# KiCad board sr99-stm32f411-hotswap.kicad_pcb
title: SR99 STM32F411 Hotswap Keyboard; rev: 0.2; company: Tecsmith
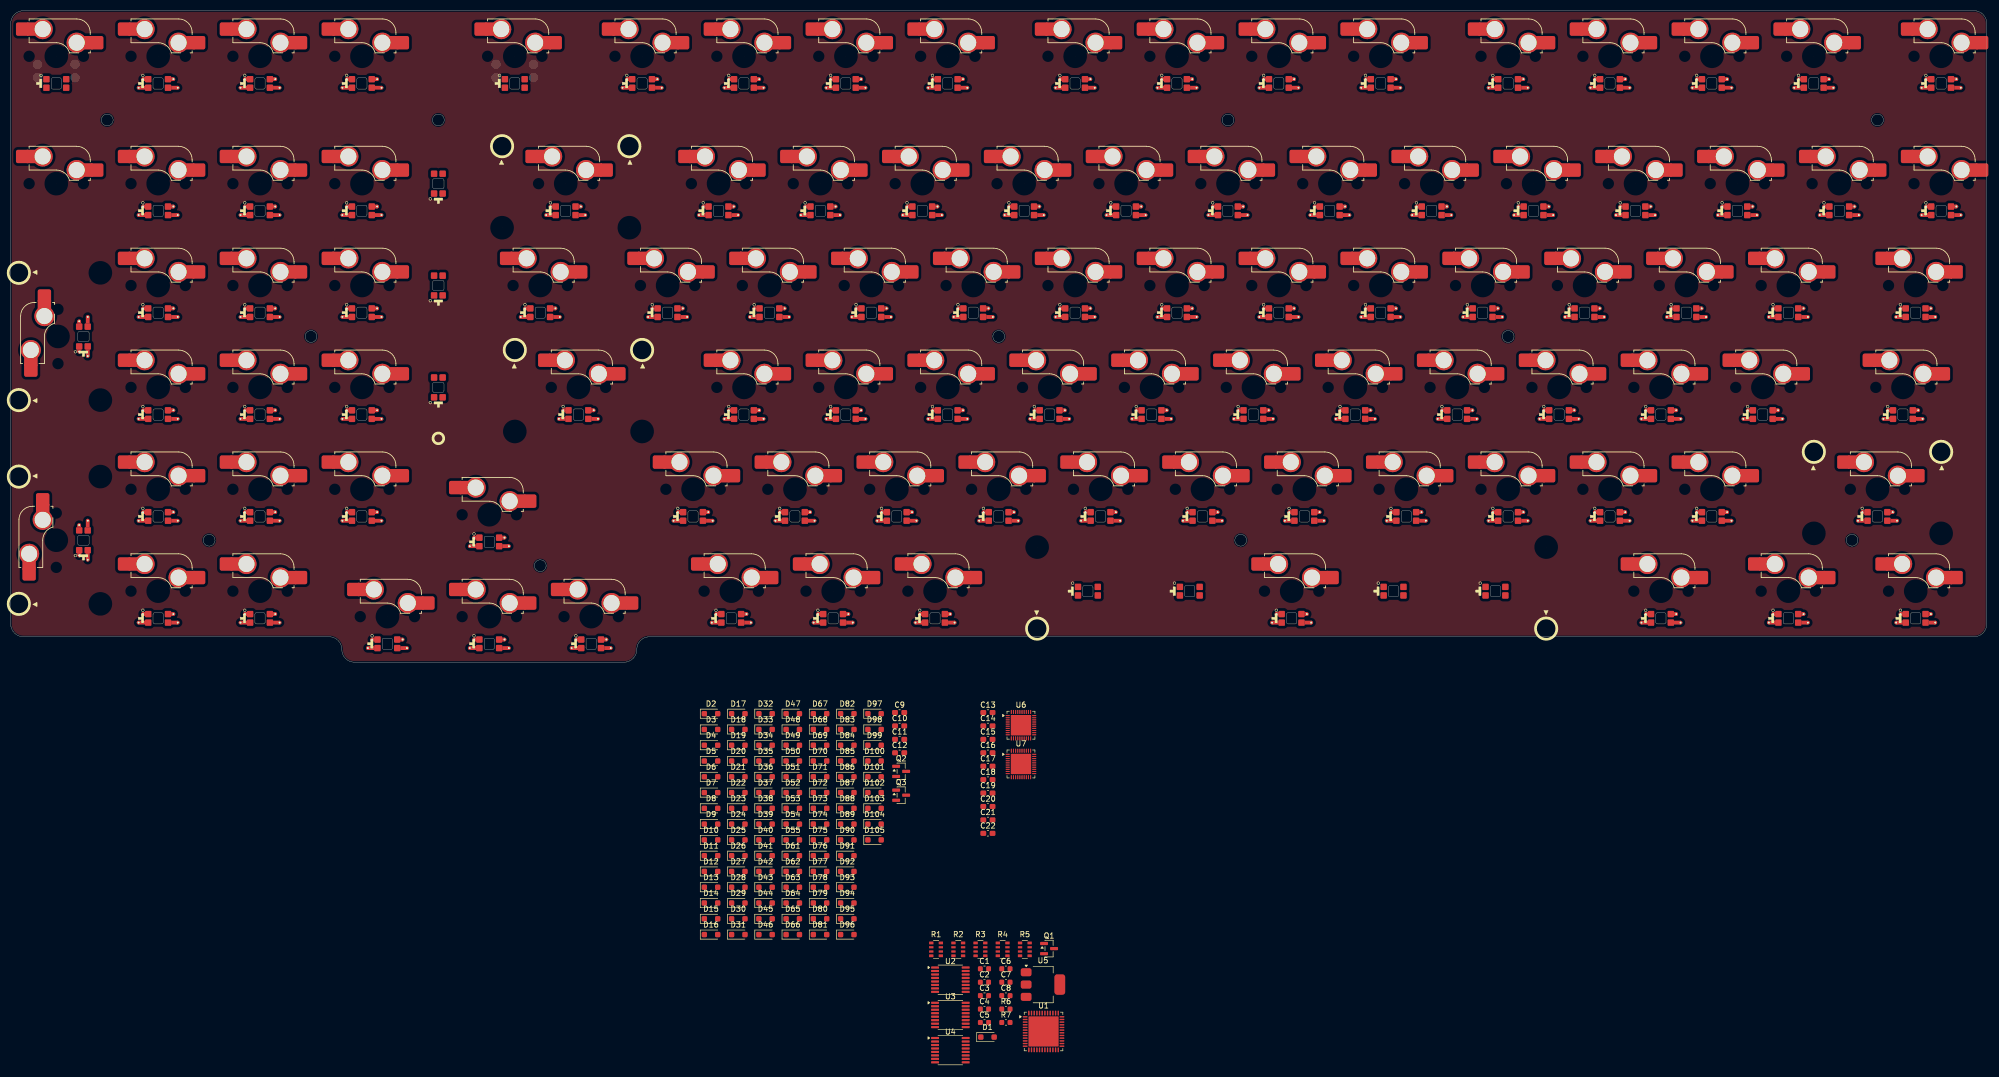
[diagram p0: board, top side]
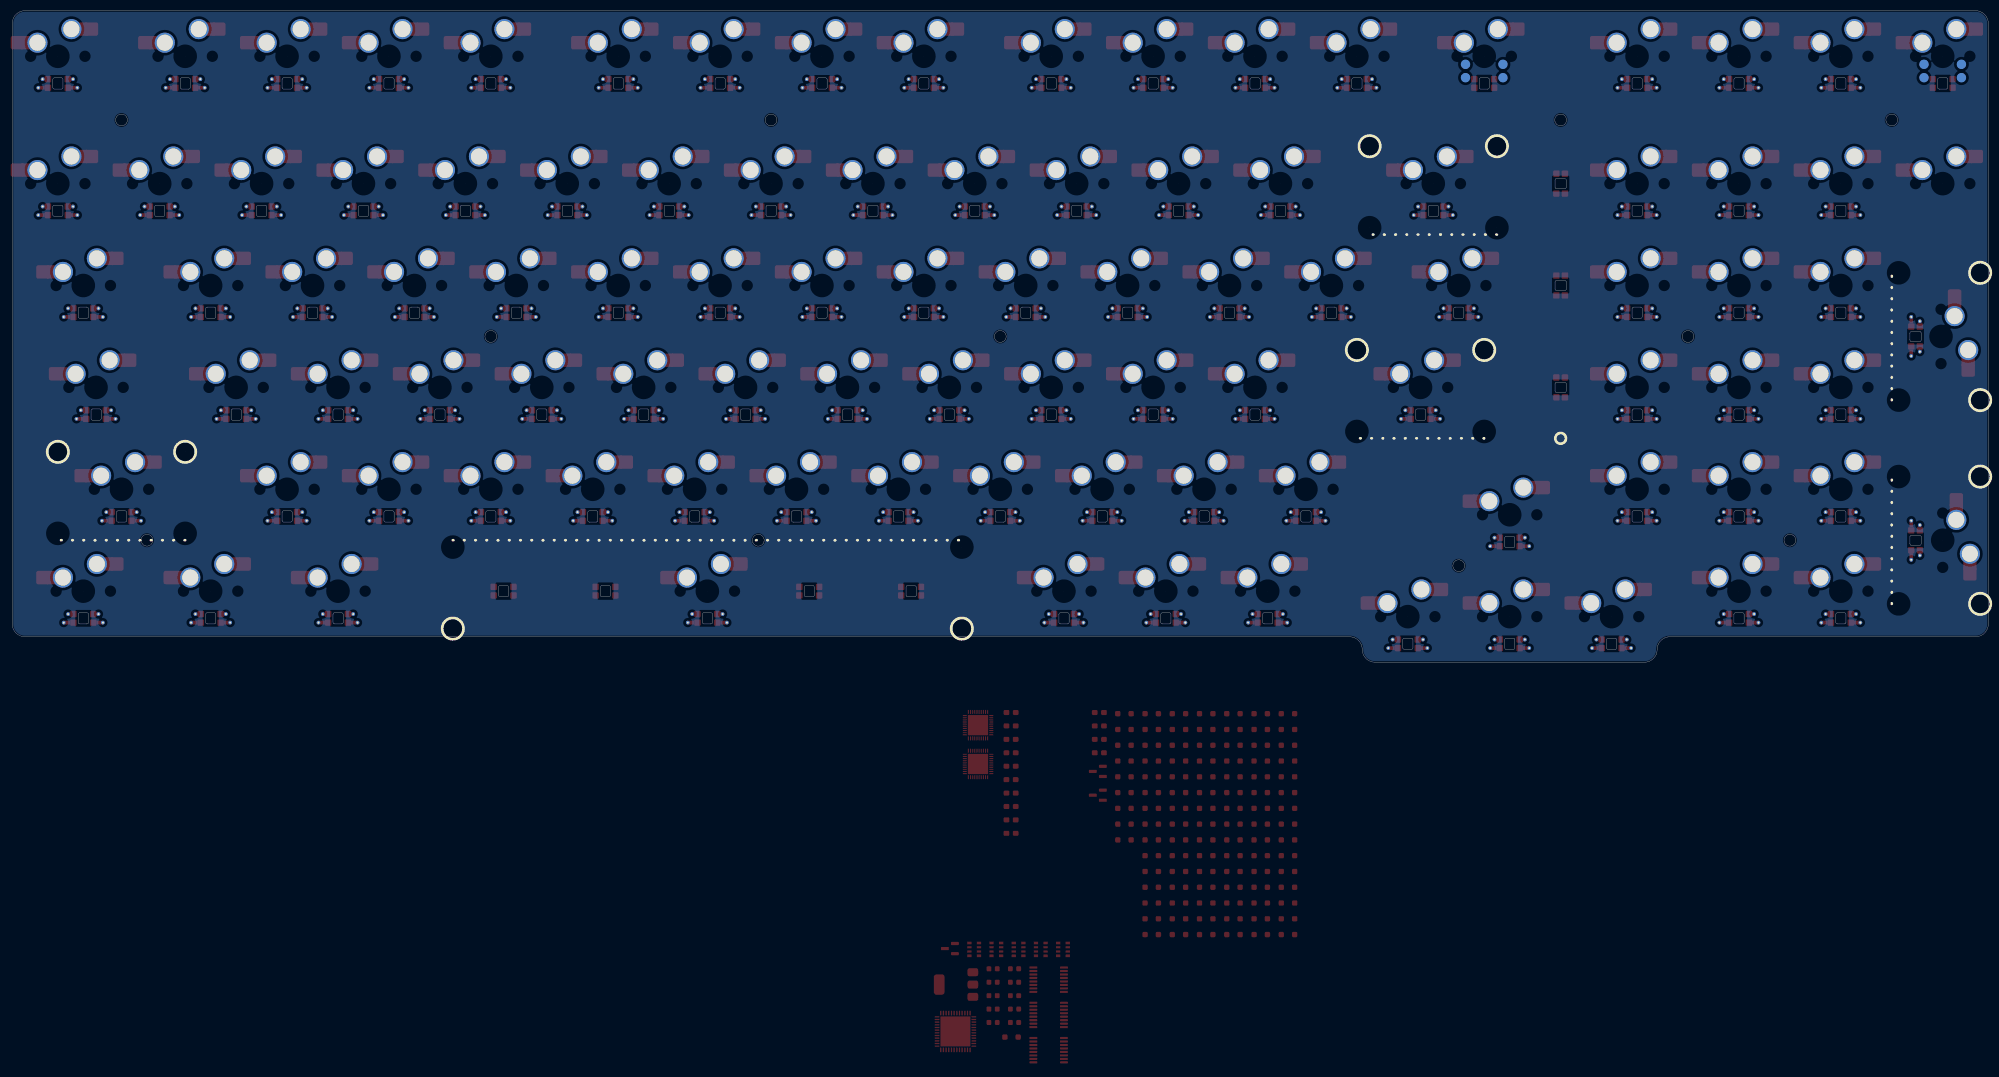
[diagram p1: board, bottom side, seen from below]

Outline 369.48 x 121.82 mm; copper layers: Top, In1.Cu, In2.Cu, Bottom. Coordinates in mm from the lower left corner of the outline.
Outline path: circle c18.05,101.39 r1.1 ; circle c37.1,22.81 r1.1 ; circle c56.15,60.91 r1.1 ; circle c79.96,101.39 r1.1 ; circle c99.01,18.05 r1.1 ; circle c184.74,60.91 r1.1 ; circle c227.6,101.39 r1.1 ; circle c229.98,22.81 r1.1 ; circle c279.99,60.91 r1.1 ; circle c344.28,22.81 r1.1 ; circle c349.04,101.39 r1.1 ; 0,119.44 0,7.14 arc(0.7,5.46) 2.38,4.76 59.53,4.76 arc(61.22,4.07) 61.91,2.38 arc(62.61,0.7) 64.29,0 114.68,0 arc(116.37,0.7) 117.06,2.38 arc(117.76,4.07) 119.44,4.76 367.09,4.76 arc(368.78,5.46) 369.48,7.14 369.48,119.44 arc(368.78,121.13) 367.09,121.82 2.38,121.82 arc(0.7,121.13) 0,119.44
Stack: Top 0.03mm / dielectric 0.165mm FR4 er 4.5 / In1.Cu 0.0175mm / dielectric 0.165mm FR4 er 4.5 / In2.Cu 0.0175mm / dielectric 0.165mm FR4 er 4.5 / Bottom 0.03mm

## Placement (name value [footprint] x y rotation side)
C1  100n  [C_0603_1608Metric]  182.07 -57.32 0 top
C2  100n  [C_0603_1608Metric]  182.07 -59.83 0 top
C3  100n  [C_0603_1608Metric]  182.07 -62.34 0 top
C4  22u  [C_0603_1608Metric]  182.07 -64.85 0 top
C5  100n  [C_0603_1608Metric]  182.07 -67.36 0 top
C6  100n  [C_0603_1608Metric]  186.08 -57.32 0 top
C7  22u  [C_0603_1608Metric]  186.08 -59.83 0 top
C8  4u7  [C_0603_1608Metric]  186.08 -62.34 0 top
C9  100n  [C_0603_1608Metric_Pad1.08x0.95mm_HandSolder]  166.21 -9.4 0 top
C10  100n  [C_0603_1608Metric_Pad1.08x0.95mm_HandSolder]  166.21 -11.91 0 top
C11  100n  [C_0603_1608Metric_Pad1.08x0.95mm_HandSolder]  166.21 -14.42 0 top
C12  100n  [C_0603_1608Metric_Pad1.08x0.95mm_HandSolder]  166.21 -16.93 0 top
C13  1u  [C_0603_1608Metric_Pad1.08x0.95mm_HandSolder]  182.72 -9.4 0 top
C14  100n  [C_0603_1608Metric_Pad1.08x0.95mm_HandSolder]  182.72 -11.91 0 top
C15  1u  [C_0603_1608Metric_Pad1.08x0.95mm_HandSolder]  182.72 -14.42 0 top
C16  100n  [C_0603_1608Metric_Pad1.08x0.95mm_HandSolder]  182.72 -16.93 0 top
C17  1u  [C_0603_1608Metric_Pad1.08x0.95mm_HandSolder]  182.72 -19.44 0 top
C18  100n  [C_0603_1608Metric_Pad1.08x0.95mm_HandSolder]  182.72 -21.95 0 top
C19  1u  [C_0603_1608Metric_Pad1.08x0.95mm_HandSolder]  182.72 -24.46 0 top
C20  100n  [C_0603_1608Metric_Pad1.08x0.95mm_HandSolder]  182.72 -26.97 0 top
C21  100n  [C_0603_1608Metric_Pad1.08x0.95mm_HandSolder]  182.72 -29.48 0 top
C22  100n  [C_0603_1608Metric_Pad1.08x0.95mm_HandSolder]  182.72 -31.99 0 top
D1  1N4148WS  [D_SOD-323_HandSoldering]  182.63 -70.09 0 top
D2  1N4148WS  [D_SOD-323_HandSoldering]  130.94 -9.62 0 top
D3  1N4148WS  [D_SOD-323_HandSoldering]  130.94 -12.57 0 top
D4  1N4148WS  [D_SOD-323_HandSoldering]  130.94 -15.52 0 top
D5  1N4148WS  [D_SOD-323_HandSoldering]  130.94 -18.47 0 top
D6  1N4148WS  [D_SOD-323_HandSoldering]  130.94 -21.42 0 top
D7  1N4148WS  [D_SOD-323_HandSoldering]  130.94 -24.37 0 top
D8  1N4148WS  [D_SOD-323_HandSoldering]  130.94 -27.32 0 top
D9  1N4148WS  [D_SOD-323_HandSoldering]  130.94 -30.27 0 top
D10  1N4148WS  [D_SOD-323_HandSoldering]  130.94 -33.22 0 top
D11  1N4148WS  [D_SOD-323_HandSoldering]  130.94 -36.17 0 top
D12  1N4148WS  [D_SOD-323_HandSoldering]  130.94 -39.12 0 top
D13  1N4148WS  [D_SOD-323_HandSoldering]  130.94 -42.07 0 top
D14  1N4148WS  [D_SOD-323_HandSoldering]  130.94 -45.02 0 top
D15  1N4148WS  [D_SOD-323_HandSoldering]  130.94 -47.97 0 top
D16  1N4148WS  [D_SOD-323_HandSoldering]  130.94 -50.92 0 top
D17  1N4148WS  [D_SOD-323_HandSoldering]  136.04 -9.62 0 top
D18  1N4148WS  [D_SOD-323_HandSoldering]  136.04 -12.57 0 top
D19  1N4148WS  [D_SOD-323_HandSoldering]  136.04 -15.52 0 top
D20  1N4148WS  [D_SOD-323_HandSoldering]  136.04 -18.47 0 top
D21  1N4148WS  [D_SOD-323_HandSoldering]  136.04 -21.42 0 top
D22  1N4148WS  [D_SOD-323_HandSoldering]  136.04 -24.37 0 top
D23  1N4148WS  [D_SOD-323_HandSoldering]  136.04 -27.32 0 top
D24  1N4148WS  [D_SOD-323_HandSoldering]  136.04 -30.27 0 top
D25  1N4148WS  [D_SOD-323_HandSoldering]  136.04 -33.22 0 top
D26  1N4148WS  [D_SOD-323_HandSoldering]  136.04 -36.17 0 top
D27  1N4148WS  [D_SOD-323_HandSoldering]  136.04 -39.12 0 top
D28  1N4148WS  [D_SOD-323_HandSoldering]  136.04 -42.07 0 top
D29  1N4148WS  [D_SOD-323_HandSoldering]  136.04 -45.02 0 top
D30  1N4148WS  [D_SOD-323_HandSoldering]  136.04 -47.97 0 top
D31  1N4148WS  [D_SOD-323_HandSoldering]  136.04 -50.92 0 top
D32  1N4148WS  [D_SOD-323_HandSoldering]  141.13 -9.62 0 top
D33  1N4148WS  [D_SOD-323_HandSoldering]  141.13 -12.57 0 top
D34  1N4148WS  [D_SOD-323_HandSoldering]  141.13 -15.52 0 top
D35  1N4148WS  [D_SOD-323_HandSoldering]  141.13 -18.47 0 top
D36  1N4148WS  [D_SOD-323_HandSoldering]  141.13 -21.42 0 top
D37  1N4148WS  [D_SOD-323_HandSoldering]  141.13 -24.37 0 top
D38  1N4148WS  [D_SOD-323_HandSoldering]  141.13 -27.32 0 top
D39  1N4148WS  [D_SOD-323_HandSoldering]  141.13 -30.27 0 top
D40  1N4148WS  [D_SOD-323_HandSoldering]  141.13 -33.22 0 top
D41  1N4148WS  [D_SOD-323_HandSoldering]  141.13 -36.17 0 top
D42  1N4148WS  [D_SOD-323_HandSoldering]  141.13 -39.12 0 top
D43  1N4148WS  [D_SOD-323_HandSoldering]  141.13 -42.07 0 top
D44  1N4148WS  [D_SOD-323_HandSoldering]  141.13 -45.02 0 top
D45  1N4148WS  [D_SOD-323_HandSoldering]  141.13 -47.97 0 top
D46  1N4148WS  [D_SOD-323_HandSoldering]  141.13 -50.92 0 top
D47  1N4148WS  [D_SOD-323_HandSoldering]  146.23 -9.62 0 top
D48  1N4148WS  [D_SOD-323_HandSoldering]  146.23 -12.57 0 top
D49  1N4148WS  [D_SOD-323_HandSoldering]  146.23 -15.52 0 top
D50  1N4148WS  [D_SOD-323_HandSoldering]  146.23 -18.47 0 top
D51  1N4148WS  [D_SOD-323_HandSoldering]  146.23 -21.42 0 top
D52  1N4148WS  [D_SOD-323_HandSoldering]  146.23 -24.37 0 top
D53  1N4148WS  [D_SOD-323_HandSoldering]  146.23 -27.32 0 top
D54  1N4148WS  [D_SOD-323_HandSoldering]  146.23 -30.27 0 top
D55  1N4148WS  [D_SOD-323_HandSoldering]  146.23 -33.22 0 top
D61  1N4148WS  [D_SOD-323_HandSoldering]  146.23 -36.17 0 top
D62  1N4148WS  [D_SOD-323_HandSoldering]  146.23 -39.12 0 top
D63  1N4148WS  [D_SOD-323_HandSoldering]  146.23 -42.07 0 top
D64  1N4148WS  [D_SOD-323_HandSoldering]  146.23 -45.02 0 top
D65  1N4148WS  [D_SOD-323_HandSoldering]  146.23 -47.97 0 top
D66  1N4148WS  [D_SOD-323_HandSoldering]  146.23 -50.92 0 top
D67  1N4148WS  [D_SOD-323_HandSoldering]  151.32 -9.62 0 top
D68  1N4148WS  [D_SOD-323_HandSoldering]  151.32 -12.57 0 top
D69  1N4148WS  [D_SOD-323_HandSoldering]  151.32 -15.52 0 top
D70  1N4148WS  [D_SOD-323_HandSoldering]  151.32 -18.47 0 top
D71  1N4148WS  [D_SOD-323_HandSoldering]  151.32 -21.42 0 top
D72  1N4148WS  [D_SOD-323_HandSoldering]  151.32 -24.37 0 top
D73  1N4148WS  [D_SOD-323_HandSoldering]  151.32 -27.32 0 top
D74  1N4148WS  [D_SOD-323_HandSoldering]  151.32 -30.27 0 top
D75  1N4148WS  [D_SOD-323_HandSoldering]  151.32 -33.22 0 top
D76  1N4148WS  [D_SOD-323_HandSoldering]  151.32 -36.17 0 top
D77  1N4148WS  [D_SOD-323_HandSoldering]  151.32 -39.12 0 top
D78  1N4148WS  [D_SOD-323_HandSoldering]  151.32 -42.07 0 top
D79  1N4148WS  [D_SOD-323_HandSoldering]  151.32 -45.02 0 top
D80  1N4148WS  [D_SOD-323_HandSoldering]  151.32 -47.97 0 top
D81  1N4148WS  [D_SOD-323_HandSoldering]  151.32 -50.92 0 top
D82  1N4148WS  [D_SOD-323_HandSoldering]  156.42 -9.62 0 top
D83  1N4148WS  [D_SOD-323_HandSoldering]  156.42 -12.57 0 top
D84  1N4148WS  [D_SOD-323_HandSoldering]  156.42 -15.52 0 top
D85  1N4148WS  [D_SOD-323_HandSoldering]  156.42 -18.47 0 top
D86  1N4148WS  [D_SOD-323_HandSoldering]  156.42 -21.42 0 top
D87  1N4148WS  [D_SOD-323_HandSoldering]  156.42 -24.37 0 top
D88  1N4148WS  [D_SOD-323_HandSoldering]  156.42 -27.32 0 top
D89  1N4148WS  [D_SOD-323_HandSoldering]  156.42 -30.27 0 top
D90  1N4148WS  [D_SOD-323_HandSoldering]  156.42 -33.22 0 top
D91  1N4148WS  [D_SOD-323_HandSoldering]  156.42 -36.17 0 top
D92  1N4148WS  [D_SOD-323_HandSoldering]  156.42 -39.12 0 top
D93  1N4148WS  [D_SOD-323_HandSoldering]  156.42 -42.07 0 top
D94  1N4148WS  [D_SOD-323_HandSoldering]  156.42 -45.02 0 top
D95  1N4148WS  [D_SOD-323_HandSoldering]  156.42 -47.97 0 top
D96  1N4148WS  [D_SOD-323_HandSoldering]  156.42 -50.92 0 top
D97  1N4148WS  [D_SOD-323_HandSoldering]  161.51 -9.62 0 top
D98  1N4148WS  [D_SOD-323_HandSoldering]  161.51 -12.57 0 top
D99  1N4148WS  [D_SOD-323_HandSoldering]  161.51 -15.52 0 top
D100  1N4148WS  [D_SOD-323_HandSoldering]  161.51 -18.47 0 top
D101  1N4148WS  [D_SOD-323_HandSoldering]  161.51 -21.42 0 top
D102  1N4148WS  [D_SOD-323_HandSoldering]  161.51 -24.37 0 top
D103  1N4148WS  [D_SOD-323_HandSoldering]  161.51 -27.32 0 top
D104  1N4148WS  [D_SOD-323_HandSoldering]  161.51 -30.27 0 top
D105  1N4148WS  [D_SOD-323_HandSoldering]  161.51 -33.22 0 top
ENC1  Skyloong  [SW_Skyloong_Enc]  94.25 113.3 0 top
ENC2  Skyloong  [SW_Skyloong_Enc]  8.53 113.3 0 top
Q1  2N7002  [SOT-23]  194.15 -53.54 0 top
Q2  AO3401A  [SOT-23]  166.49 -20.41 0 top
Q3  AO3401A  [SOT-23]  166.49 -24.86 0 top
R1  10K  [R_Array_Convex_4x0603]  173.02 -53.69 0 top
R2  10K  [R_Array_Convex_4x0603]  177.17 -53.69 0 top
R3  10K  [R_Array_Convex_4x0603]  181.32 -53.69 0 top
R4  10K  [R_Array_Convex_4x0603]  185.47 -53.69 0 top
R5  10K  [R_Array_Convex_4x0603]  189.62 -53.69 0 top
R6  10K  [C_0603_1608Metric]  186.08 -64.85 0 top
R7  5K1  [C_0603_1608Metric]  186.08 -67.36 0 top
ST1  ~  [STAB_2U]  103.77 89.49 0 top
ST2  ~  [STAB_2U]  8.53 60.91 90 top
ST3  ~  [STAB_2U]  106.16 51.39 0 top
ST4  ~  [STAB_2U]  349.04 32.34 0 top
ST5  ~  [STAB_2U]  8.53 22.81 90 top
ST6  ~  [STAB_6U]  239.51 13.29 180 top
SW1  Esc  [SW_MX_HotSwap]  360.95 113.3 0 top
SW2  F1  [SW_MX_HotSwap]  337.14 113.3 0 top
SW3  F2  [SW_MX_HotSwap]  318.09 113.3 0 top
SW4  F3  [SW_MX_HotSwap]  299.04 113.3 0 top
SW5  F4  [SW_MX_HotSwap]  279.99 113.3 0 top
SW6  F5  [SW_MX_HotSwap]  256.18 113.3 0 top
SW7  F6  [SW_MX_HotSwap]  237.12 113.3 0 top
SW8  F7  [SW_MX_HotSwap]  218.08 113.3 0 top
SW9  F8  [SW_MX_HotSwap]  199.03 113.3 0 top
SW10  F9  [SW_MX_HotSwap]  175.21 113.3 0 top
SW11  F10  [SW_MX_HotSwap]  156.16 113.3 0 top
SW12  F11  [SW_MX_HotSwap]  137.11 113.3 0 top
SW13  F12  [SW_MX_HotSwap]  118.06 113.3 0 top
SW14  F13  [SW_MX_HotSwap]  94.25 113.3 0 top
SW15  F14  [SW_MX_HotSwap]  65.67 113.3 0 top
SW16  F15  [SW_MX_HotSwap]  46.62 113.3 0 top
SW17  F16  [SW_MX_HotSwap]  27.57 113.3 0 top
SW18  F17  [SW_MX_HotSwap]  8.53 113.3 0 top
SW19  Tdl  [SW_MX_HotSwap]  360.95 89.49 0 top
SW20  1  [SW_MX_HotSwap]  341.9 89.49 0 top
SW21  2  [SW_MX_HotSwap]  322.85 89.49 0 top
SW22  3  [SW_MX_HotSwap]  303.8 89.49 0 top
SW23  4  [SW_MX_HotSwap]  284.75 89.49 0 top
SW24  5  [SW_MX_HotSwap]  265.7 89.49 0 top
SW25  6  [SW_MX_HotSwap]  246.65 89.49 0 top
SW26  7  [SW_MX_HotSwap]  227.6 89.49 0 top
SW27  8  [SW_MX_HotSwap]  208.55 89.49 0 top
SW28  9  [SW_MX_HotSwap]  189.5 89.49 0 top
SW29  0  [SW_MX_HotSwap]  170.45 89.49 0 top
SW30  MIN  [SW_MX_HotSwap]  151.4 89.49 0 top
SW31  PLS  [SW_MX_HotSwap]  132.35 89.49 0 top
SW32  BS  [SW_MX_HotSwap]  103.77 89.49 0 top
SW33  NumL  [SW_MX_HotSwap]  65.67 89.49 0 top
SW34  Div  [SW_MX_HotSwap]  46.62 89.49 0 top
SW35  Mul  [SW_MX_HotSwap]  27.57 89.49 0 top
SW36  Sub  [SW_MX_HotSwap]  8.53 89.49 0 top
SW37  Tab  [SW_MX_HotSwap]  356.19 70.44 0 top
SW38  Q  [SW_MX_HotSwap]  332.38 70.44 0 top
SW39  W  [SW_MX_HotSwap]  313.32 70.44 0 top
SW40  E  [SW_MX_HotSwap]  294.28 70.44 0 top
SW41  R  [SW_MX_HotSwap]  275.23 70.44 0 top
SW42  T  [SW_MX_HotSwap]  256.18 70.44 0 top
SW43  Y  [SW_MX_HotSwap]  237.12 70.44 0 top
SW44  U  [SW_MX_HotSwap]  218.08 70.44 0 top
SW45  I  [SW_MX_HotSwap]  199.03 70.44 0 top
SW46  O  [SW_MX_HotSwap]  179.98 70.44 0 top
SW47  P  [SW_MX_HotSwap]  160.93 70.44 0 top
SW48  [  [SW_MX_HotSwap]  141.88 70.44 0 top
SW49  ]  [SW_MX_HotSwap]  122.83 70.44 0 top
SW50  \  [SW_MX_HotSwap]  99.01 70.44 0 top
SW51  N7  [SW_MX_HotSwap]  65.67 70.44 0 top
SW52  N8  [SW_MX_HotSwap]  46.62 70.44 0 top
SW53  N9  [SW_MX_HotSwap]  27.57 70.44 0 top
SW54  Add  [SW_MX_HotSwap]  8.84 60.91 90 top
SW55  CapsL  [SW_MX_HotSwap]  353.81 51.39 0 top
SW56  A  [SW_MX_HotSwap]  327.61 51.39 0 top
SW57  S  [SW_MX_HotSwap]  308.56 51.39 0 top
SW58  D  [SW_MX_HotSwap]  289.51 51.39 0 top
SW59  F  [SW_MX_HotSwap]  270.46 51.39 0 top
SW60  G  [SW_MX_HotSwap]  251.41 51.39 0 top
SW61  H  [SW_MX_HotSwap]  232.36 51.39 0 top
SW62  J  [SW_MX_HotSwap]  213.31 51.39 0 top
SW63  K  [SW_MX_HotSwap]  194.26 51.39 0 top
SW64  L  [SW_MX_HotSwap]  175.21 51.39 0 top
SW65  ;  [SW_MX_HotSwap]  156.16 51.39 0 top
SW66  "  [SW_MX_HotSwap]  137.11 51.39 0 top
SW67  Ent  [SW_MX_HotSwap]  106.16 51.39 0 top
SW68  N4  [SW_MX_HotSwap]  65.67 51.39 0 top
SW69  N5  [SW_MX_HotSwap]  46.62 51.39 0 top
SW70  N6  [SW_MX_HotSwap]  27.57 51.39 0 top
SW71  LShft  [SW_MX_HotSwap]  349.04 32.34 0 top
SW72  Z  [SW_MX_HotSwap]  318.09 32.34 0 top
SW73  X  [SW_MX_HotSwap]  299.04 32.34 0 top
SW74  C  [SW_MX_HotSwap]  279.99 32.34 0 top
SW75  V  [SW_MX_HotSwap]  260.94 32.34 0 top
SW76  B  [SW_MX_HotSwap]  241.89 32.34 0 top
SW77  N  [SW_MX_HotSwap]  222.84 32.34 0 top
SW78  M  [SW_MX_HotSwap]  203.79 32.34 0 top
SW79  <  [SW_MX_HotSwap]  184.74 32.34 0 top
SW80  >  [SW_MX_HotSwap]  165.69 32.34 0 top
SW81  ?  [SW_MX_HotSwap]  146.64 32.34 0 top
SW82  RShft  [SW_MX_HotSwap]  127.59 32.34 0 top
SW83  Up  [SW_MX_HotSwap]  89.49 27.57 0 top
SW84  N1  [SW_MX_HotSwap]  65.67 32.34 0 top
SW85  N2  [SW_MX_HotSwap]  46.62 32.34 0 top
SW86  N3  [SW_MX_HotSwap]  27.57 32.34 0 top
SW87  NEnt  [SW_MX_HotSwap]  8.53 22.81 90 top
SW88  Ctrl  [SW_MX_HotSwap]  356.19 13.29 0 top
SW89  Opt  [SW_MX_HotSwap]  332.38 13.29 0 top
SW90  Cmnd  [SW_MX_HotSwap]  308.56 13.29 0 top
SW91  Space  [SW_MX_HotSwap]  239.51 13.29 0 top
SW92  Fn1  [SW_MX_HotSwap]  153.78 13.29 0 top
SW93  Left  [SW_MX_HotSwap]  108.54 8.53 0 top
SW94  Down  [SW_MX_HotSwap]  89.49 8.53 0 top
SW95  Right  [SW_MX_HotSwap]  70.44 8.53 0 top
SW96  N0  [SW_MX_HotSwap]  27.57 13.29 0 top
SW97  Dot  [SW_MX_HotSwap]  46.62 13.29 0 top
SW100_1  Menu  [SW_MX_HotSwap]  172.83 13.29 0 top
SW102_1  Fn2  [SW_MX_HotSwap]  134.73 13.29 0 top
U1  STM32F411C_C-E_Ux  [QFN-48-1EP_7x7mm_P0.5mm_EP5.6x5.6mm]  193.11 -69.04 0 top
U2  MC74HC589AD  [TSSOP-16_4.4x5mm_P0.65mm]  175.69 -59.36 0 top
U3  MC74HC589AD  [TSSOP-16_4.4x5mm_P0.65mm]  175.69 -65.95 0 top
U4  MC74HC589AD  [TSSOP-16_4.4x5mm_P0.65mm]  175.69 -72.54 0 top
U5  AMS1117-3.3  [SOT-223-3_TabPin2]  193.01 -60.27 0 top
U6  IS31FL3743B  [UQFN-40-1EP_5x5mm_P0.4mm_EP3.8x3.8mm]  188.89 -11.77 0 top
U7  IS31FL3743B  [UQFN-40-1EP_5x5mm_P0.4mm_EP3.8x3.8mm]  188.89 -19.02 0 top
W1  Esc  [RGB-156120M_VIA]  360.95 108.54 0 top
W2  F1  [RGB-156120M_VIA]  337.14 108.54 0 top
W3  F2  [RGB-156120M_VIA]  318.09 108.54 0 top
W4  F3  [RGB-156120M_VIA]  299.04 108.54 0 top
W5  F4  [RGB-156120M_VIA]  279.99 108.54 0 top
W6  F5  [RGB-156120M_VIA]  256.18 108.54 0 top
W7  F6  [RGB-156120M_VIA]  237.12 108.54 0 top
W8  F7  [RGB-156120M_VIA]  218.08 108.54 0 top
W9  F8  [RGB-156120M_VIA]  199.03 108.54 0 top
W10  F9  [RGB-156120M_VIA]  175.21 108.54 0 top
W11  F10  [RGB-156120M_VIA]  156.16 108.54 0 top
W12  F11  [RGB-156120M_VIA]  137.11 108.54 0 top
W13  F12  [RGB-156120M_VIA]  118.06 108.54 0 top
W14  F13  [RGB-156120M]  94.25 108.22 0 top
W15  F14  [RGB-156120M_VIA]  65.67 108.54 0 top
W16  F15  [RGB-156120M_VIA]  46.62 108.54 0 top
W17  F16  [RGB-156120M_VIA]  27.57 108.54 0 top
W18  F17  [RGB-156120M]  8.53 108.22 0 top
W19  Tdl  [RGB-156120M_VIA]  360.95 84.72 0 top
W20  1  [RGB-156120M_VIA]  341.9 84.72 0 top
W21  2  [RGB-156120M_VIA]  322.85 84.72 0 top
W22  3  [RGB-156120M_VIA]  303.8 84.72 0 top
W23  4  [RGB-156120M_VIA]  284.75 84.72 0 top
W24  5  [RGB-156120M_VIA]  265.7 84.72 0 top
W25  6  [RGB-156120M_VIA]  246.65 84.72 0 top
W26  7  [RGB-156120M_VIA]  227.6 84.72 0 top
W27  8  [RGB-156120M_VIA]  208.55 84.72 0 top
W28  9  [RGB-156120M_VIA]  189.5 84.72 0 top
W29  0  [RGB-156120M_VIA]  170.45 84.72 0 top
W30  MIN  [RGB-156120M_VIA]  151.4 84.72 0 top
W31  PLS  [RGB-156120M_VIA]  132.35 84.72 0 top
W32  Bspc  [RGB-156120M_VIA]  103.77 84.72 0 top
W33  NumL  [RGB-156120M_VIA]  65.67 84.72 0 top
W34  Div  [RGB-156120M_VIA]  46.62 84.72 0 top
W35  Mul  [RGB-156120M_VIA]  27.57 84.72 0 top
W37  Tab  [RGB-156120M_VIA]  356.19 65.67 0 top
W38  Q  [RGB-156120M_VIA]  332.38 65.67 0 top
W39  W  [RGB-156120M_VIA]  313.32 65.67 0 top
W40  E  [RGB-156120M_VIA]  294.28 65.67 0 top
W41  R  [RGB-156120M_VIA]  275.23 65.67 0 top
W42  T  [RGB-156120M_VIA]  256.18 65.67 0 top
W43  Y  [RGB-156120M_VIA]  237.12 65.67 0 top
W44  U  [RGB-156120M_VIA]  218.08 65.67 0 top
W45  I  [RGB-156120M_VIA]  199.03 65.67 0 top
W46  O  [RGB-156120M_VIA]  179.98 65.67 0 top
W47  P  [RGB-156120M_VIA]  160.93 65.67 0 top
W48  [  [RGB-156120M_VIA]  141.88 65.67 0 top
W49  ]  [RGB-156120M_VIA]  122.83 65.67 0 top
W50  \  [RGB-156120M_VIA]  99.01 65.67 0 top
W51  N7  [RGB-156120M_VIA]  65.67 65.67 0 top
W52  N8  [RGB-156120M_VIA]  46.62 65.67 0 top
W53  N9  [RGB-156120M_VIA]  27.57 65.67 0 top
W54  CapsL  [RGB-156120M_VIA]  353.81 46.62 0 top
W55  A  [RGB-156120M_VIA]  327.61 46.62 0 top
W56  S  [RGB-156120M_VIA]  308.56 46.62 0 top
W57  D  [RGB-156120M_VIA]  289.51 46.62 0 top
W58  F  [RGB-156120M_VIA]  270.46 46.62 0 top
W59  G  [RGB-156120M_VIA]  251.41 46.62 0 top
W60  H  [RGB-156120M_VIA]  232.36 46.62 0 top
W61  J  [RGB-156120M_VIA]  213.31 46.62 0 top
W62  K  [RGB-156120M_VIA]  194.26 46.62 0 top
W63  L  [RGB-156120M_VIA]  175.21 46.62 0 top
W64  :  [RGB-156120M_VIA]  156.16 46.62 0 top
W65  "  [RGB-156120M_VIA]  137.11 46.62 0 top
W66  Ent  [RGB-156120M_VIA]  106.16 46.62 0 top
W67  N4  [RGB-156120M_VIA]  65.67 46.62 0 top
W68  N5  [RGB-156120M_VIA]  46.62 46.62 0 top
W69  N6  [RGB-156120M_VIA]  27.57 46.62 0 top
W70  Add  [RGB-156120M_VIA]  13.29 60.91 90 top
W71  LShft  [RGB-156120M_VIA]  349.04 27.57 0 top
W72  Z  [RGB-156120M_VIA]  318.09 27.57 0 top
W73  X  [RGB-156120M_VIA]  299.04 27.57 0 top
W74  C  [RGB-156120M_VIA]  279.99 27.57 0 top
W75  V  [RGB-156120M_VIA]  260.94 27.57 0 top
W76  B  [RGB-156120M_VIA]  241.89 27.57 0 top
W77  N  [RGB-156120M_VIA]  222.84 27.57 0 top
W78  M  [RGB-156120M_VIA]  203.79 27.57 0 top
W79  <  [RGB-156120M_VIA]  184.74 27.57 0 top
W80  >  [RGB-156120M_VIA]  165.69 27.57 0 top
W81  ?  [RGB-156120M_VIA]  146.64 27.57 0 top
W82  RShft  [RGB-156120M_VIA]  127.59 27.57 0 top
W83  Up  [RGB-156120M_VIA]  89.49 22.81 0 top
W84  N1  [RGB-156120M_VIA]  65.67 27.57 0 top
W85  N2  [RGB-156120M_VIA]  46.62 27.57 0 top
W86  N3  [RGB-156120M_VIA]  27.57 27.57 0 top
W87  Ctrl  [RGB-156120M_VIA]  356.19 8.53 0 top
W88  Opt  [RGB-156120M_VIA]  332.38 8.53 0 top
W89  Cmd  [RGB-156120M_VIA]  308.56 8.53 0 top
W90  << Spc  [RGB-156120M]  201.41 13.29 0 top
W91  < Spc  [RGB-156120M]  220.46 13.29 0 top
W92  Space  [RGB-156120M_VIA]  239.51 8.53 0 top
W93  Spc >  [RGB-156120M]  258.56 13.29 0 top
W94  Spc >>  [RGB-156120M]  277.61 13.29 0 top
W95  Menu  [RGB-156120M_VIA]  172.83 8.53 0 top
W96  Fn1  [RGB-156120M_VIA]  153.78 8.53 0 top
W97  Fn2  [RGB-156120M_VIA]  134.73 8.53 0 top
W98  Left  [RGB-156120M_VIA]  108.54 3.76 0 top
W99  Down  [RGB-156120M_VIA]  89.49 3.76 0 top
W100  Right  [RGB-156120M_VIA]  70.44 3.76 0 top
W101  N0  [RGB-156120M_VIA]  46.62 8.53 0 top
W102  Dot  [RGB-156120M_VIA]  27.57 8.53 0 top
W103  Return  [RGB-156120M_VIA]  13.29 22.81 90 top
W104  Status1  [RGB-156120M]  79.96 89.49 90 top
W105  Status2  [RGB-156120M]  79.96 70.44 90 top
W106  Status3  [RGB-156120M]  79.96 51.39 90 top

## Library data of the parts
C1-C8 = -: Description: Unpolarized capacitor; ki_fp_filters: C_*
C9-C22 = -: Description: Unpolarized capacitor, small symbol; ki_fp_filters: C_*
D1 = -: Description: Diode; Sim.Device: D; Sim.Pins: 2=A 1=K; ki_fp_filters: TO-???* *_Diode_* *SingleDiode* D_*
D2-D55 D61-D105 = -: Description: Diode, rotated by 45°; Sim.Device: D; Sim.Pins: 2=A 1=K; ki_fp_filters: D*Bridge* D*Rectifier*
Q1 = -: Datasheet: https://www.onsemi.com/pub/Collateral/NDS7002A-D.PDF; Description: 0.115A Id, 60V Vds, N-Channel MOSFET, SOT-23; ki_fp_filters: SOT?23*
Q2 Q3 = -: Datasheet: http://www.aosmd.com/pdfs/datasheet/AO3401A.pdf; Description: -4.0A Id, -30V Vds, P-Channel MOSFET, SOT-23; ki_fp_filters: SOT?23*
R1-R5 = -: Description: Resistor Array; ki_fp_filters: R_*
R6 R7 = -: Description: Resistor symbol; ki_fp_filters: R_*
U1 = -: Datasheet: https://www.st.com/resource/en/datasheet/stm32f411cc.pdf; Description: STMicroelectronics Arm Cortex-M4 MCU, 256-512KB flash, 128KB RAM, 100 MHz, 1.7-3.6V, 36 GPIO, UFQFPN48; ki_fp_filters: QFN*1EP*7x7mm*P0.5mm*
U2-U4 = -: Datasheet: MC74HC589ADTR2G; ki_fp_filters: TSSOP-16_ONS TSSOP-16_ONS-M TSSOP-16_ONS-L
U5 = -: Datasheet: http://www.advanced-monolithic.com/pdf/ds1117.pdf; Description: 1A Low Dropout regulator, positive, 3.3V fixed output, SOT-223; ki_fp_filters: SOT?223*TabPin2*
U6 U7 = -: Description: 18×11 DOTS MATRIX LED DRIVER WITH 12MHZ SPI; ki_fp_filters: UQFN-40_ISI UQFN-40_ISI-M UQFN-40_ISI-L
W1-W35 W37-W106 = -: Datasheet: https://github.com/Tecsmith/ts-kicad-lib/blob/main/docs/156120M173000-C5156309.pdf

## Footprints (pads in the part's own frame, mm; a bottom-side part is the same pattern mirrored in y, then rotated)
C_0603_1608Metric
  rrect 0.9x0.95 smd: 1(-0.775,0) 2(0.775,0)
C_0603_1608Metric_Pad1.08x0.95mm_HandSolder
  rrect 1.075x0.95 smd: 1(-0.863,0) 2(0.863,0)
D_SOD-323_HandSoldering
  rrect 1x1 smd: 1(-1.25,0) 2(1.25,0)
QFN-48-1EP_7x7mm_P0.5mm_EP5.6x5.6mm
  rrect 1.13x1.13 smd: (-2.1,2.1) (-2.1,0.7) (-2.1,-0.7) (-2.1,-2.1) (-0.7,2.1) (-0.7,0.7) (-0.7,-0.7) (-0.7,-2.1) (0.7,2.1) (0.7,0.7) (0.7,-0.7) (0.7,-2.1) (2.1,2.1) (2.1,0.7) (2.1,-0.7) (2.1,-2.1)
  rrect 0.875x0.25 smd: 1(-3.438,2.75) 2(-3.438,2.25) 3(-3.438,1.75) 4(-3.438,1.25) 5(-3.438,0.75) 6(-3.438,0.25) 7(-3.438,-0.25) 8(-3.438,-0.75) 9(-3.438,-1.25) 10(-3.438,-1.75) 11(-3.438,-2.25) 12(-3.438,-2.75) 25(3.438,-2.75) 26(3.438,-2.25) 27(3.438,-1.75) 28(3.438,-1.25) 29(3.438,-0.75) 30(3.438,-0.25) 31(3.438,0.25) 32(3.438,0.75) 33(3.438,1.25) 34(3.438,1.75) 35(3.438,2.25) 36(3.438,2.75)
  rrect 0.25x0.875 smd: 13(-2.75,-3.438) 14(-2.25,-3.438) 15(-1.75,-3.438) 16(-1.25,-3.438) 17(-0.75,-3.438) 18(-0.25,-3.438) 19(0.25,-3.438) 20(0.75,-3.438) 21(1.25,-3.438) 22(1.75,-3.438) 23(2.25,-3.438) 24(2.75,-3.438) 37(2.75,3.438) 38(2.25,3.438) 39(1.75,3.438) 40(1.25,3.438) 41(0.75,3.438) 42(0.25,3.438) 43(-0.25,3.438) 44(-0.75,3.438) 45(-1.25,3.438) 46(-1.75,3.438) 47(-2.25,3.438) 48(-2.75,3.438)
  rect 5.6x5.6 smd: 49(0,0)
R_Array_Convex_4x0603
  rect 0.8x0.5 smd: 1(-0.9,1.2) 4(-0.9,-1.2) 5(0.9,-1.2) 8(0.9,1.2)
  rect 0.8x0.4 smd: 2(-0.9,0.4) 3(-0.9,-0.4) 6(0.9,-0.4) 7(0.9,0.4)
RGB-156120M
  rrect 1.2x1.2 smd: 1(-1.85,0.8) 2(-1.85,-0.8) 3(1.85,-0.8) 4(1.85,0.8)
RGB-156120M_VIA
  round 0.7 hole 0.35: 1(-2.845,0.482) 2(-3.658,-1.117) 3(3.658,-1.117) 4(2.845,0.482)
  rrect 1.2x1.2 smd: 1(-1.863,0.482) 2(-1.863,-1.117) 3(1.837,-1.117) 4(1.837,0.482)
SOT-23
  rrect 1.475x0.6 smd: 1(-0.938,0.95) 2(-0.938,-0.95) 3(0.938,0)
SOT-223-3_TabPin2
  rrect 2x1.5 smd: 1(-3.15,2.3) 2(-3.15,0) 3(-3.15,-2.3)
  rrect 2x3.8 smd: 2(3.15,0)
STAB_2U
  round 0.01 hole 3.05 unplated: (-11.9,7) (11.9,7)
  round 0.01 hole 4 unplated: (-11.9,-8.24) (11.9,-8.24)
STAB_6U
  round 0.01 hole 3.05 unplated: (-47.587,7) (47.587,7)
  round 0.01 hole 4 unplated: (-47.587,-8.24) (47.587,-8.24)
SW_MX_HotSwap
  round 0.01 hole 1.7 unplated: (-5.08,0) (5.08,0)
  round 0.01 hole 4 unplated: (0,0)
  rrect 2.55x2.5 smd: 1(-6.265,5.08) 2(7.535,2.54)
  round 3.762 hole 3: 1(-2.54,5.08) 2(3.81,2.54)
SW_Skyloong_Enc
  round 1.75 smd far side: A(-3.5,-4) B(-3.5,-1.5) C(3.5,-1.5) S(3.5,-4)
TSSOP-16_4.4x5mm_P0.65mm
  rrect 1.475x0.4 smd: 1(-2.862,2.275) 2(-2.862,1.625) 3(-2.862,0.975) 4(-2.862,0.325) 5(-2.862,-0.325) 6(-2.862,-0.975) 7(-2.862,-1.625) 8(-2.862,-2.275) 9(2.862,-2.275) 10(2.862,-1.625) 11(2.862,-0.975) 12(2.862,-0.325) 13(2.862,0.325) 14(2.862,0.975) 15(2.862,1.625) 16(2.862,2.275)
UQFN-40-1EP_5x5mm_P0.4mm_EP3.8x3.8mm
  rrect 1.02x1.02 smd: (-1.27,1.27) (-1.27,0) (-1.27,-1.27) (0,1.27) (0,0) (0,-1.27) (1.27,1.27) (1.27,0) (1.27,-1.27)
  rrect 0.75x0.2 smd: 1(-2.475,1.8) 2(-2.475,1.4) 3(-2.475,1) 4(-2.475,0.6) 5(-2.475,0.2) 6(-2.475,-0.2) 7(-2.475,-0.6) 8(-2.475,-1) 9(-2.475,-1.4) 10(-2.475,-1.8) 21(2.475,-1.8) 22(2.475,-1.4) 23(2.475,-1) 24(2.475,-0.6) 25(2.475,-0.2) 26(2.475,0.2) 27(2.475,0.6) 28(2.475,1) 29(2.475,1.4) 30(2.475,1.8)
  rrect 0.2x0.75 smd: 11(-1.8,-2.475) 12(-1.4,-2.475) 13(-1,-2.475) 14(-0.6,-2.475) 15(-0.2,-2.475) 16(0.2,-2.475) 17(0.6,-2.475) 18(1,-2.475) 19(1.4,-2.475) 20(1.8,-2.475) 31(1.8,2.475) 32(1.4,2.475) 33(1,2.475) 34(0.6,2.475) 35(0.2,2.475) 36(-0.2,2.475) 37(-0.6,2.475) 38(-1,2.475) 39(-1.4,2.475) 40(-1.8,2.475)
  rect 3.8x3.8 smd: 41(0,0)

## Nets
+3V3: C1.2 C2.2 C3.2 C6.2 C7.2 C8.2 D1.2 R7.1 U2.16 U3.16 U4.16 U5.2
+5V: C4.2 C5.2 D1.1 U5.3
GND: C1.1 C2.1 C3.1 C4.1 C5.1 C6.1 C7.1 C8.1 C9.1 C10.1 C11.1 C12.1 C13.1 C14.1 C15.1 C16.1 C17.1 C18.1 C19.1 C20.1 C21.1 C22.1 Q1.2 R1.1 R1.3 R1.5 R1.7 R2.1 R2.3 R2.5 R2.7 R3.1 R3.3 R3.5 R3.7 R4.1 R4.3 R4.5 R4.7 R5.1 R5.3 R5.5 R5.7 R6.1 U2.8 U2.14 U3.8 U4.8 U5.1 U6.16 U6.23 U6.41 U7.16 U7.23 U7.41
/MCU and power/LATCH: Q1.3 R7.2 U2.12 U2.13 U3.12 U3.13 U4.12 U4.13
BLU1: W1.2 W2.2 W3.2 W4.2 W5.2 W6.2 W7.2 W8.2 W9.2
BLU2: W19.2 W20.2 W21.2 W22.2 W23.2 W24.2 W25.2 W26.2 W27.2
BLU3: W37.2 W38.2 W39.2 W40.2 W41.2 W42.2 W43.2 W44.2 W45.2 W104.2
BLU4: W54.2 W55.2 W56.2 W57.2 W58.2 W59.2 W60.2 W61.2 W62.2 W105.2
BLU5: W71.2 W72.2 W73.2 W74.2 W75.2 W76.2 W77.2 W78.2 W106.2
BLU6: W87.2 W88.2 W89.2 W90.2 W91.2 W92.2 W93.2 W94.2
BLU7: W10.2 W11.2 W12.2 W13.2 W14.2 W15.2 W16.2 W17.2 W18.2
BLU8: W28.2 W29.2 W30.2 W31.2 W32.2 W33.2 W34.2 W35.2
BLU9: W46.2 W47.2 W48.2 W49.2 W50.2 W51.2 W52.2 W53.2
BLU10: W63.2 W64.2 W65.2 W66.2 W67.2 W68.2 W69.2 W70.2
BLU11: W79.2 W80.2 W81.2 W82.2 W83.2 W84.2 W85.2 W86.2
BLU12: W95.2 W96.2 W97.2 W98.2 W99.2 W100.2 W101.2 W102.2 W103.2
COL0: D2.1 D20.1 D38.1 D61.1 D77.1 D94.1 R4.4 U2.1
COL1: D3.1 D21.1 D39.1 D62.1 D95.1 R4.6 U2.2
COL2: D4.1 D22.1 D40.1 D63.1 D78.1 D96.1 R4.8 U2.3
COL3: D5.1 D23.1 D41.1 D64.1 D79.1 R1.2 U2.4
COL4: D6.1 D24.1 D42.1 D65.1 D80.1 R1.4 U2.5
COL5: D7.1 D25.1 D43.1 D66.1 D81.1 R1.6 U2.6
COL6: D8.1 D26.1 D44.1 D67.1 D82.1 D97.1 R1.8 U2.7
COL7: D9.1 D27.1 D45.1 D68.1 D83.1 R5.4 U3.1
COL8: D10.1 D28.1 D46.1 D69.1 D84.1 R5.6 U3.2
COL9: D11.1 D29.1 D47.1 D70.1 D85.1 D98.1 R5.8 U3.3
COL10: D12.1 D30.1 D48.1 D71.1 D86.1 D99.1 R2.2 U3.4
COL11: D13.1 D31.1 D49.1 D72.1 D87.1 D100.1 R2.4 U3.5
COL12: D14.1 D32.1 D50.1 D88.1 D101.1 R2.6 U3.6
COL13: D15.1 D33.1 D51.1 D73.1 D89.1 D102.1 R2.8 U3.7
COL14: D16.1 D34.1 D52.1 D74.1 D90.1 D103.1 R3.2 U4.4
COL15: D17.1 D35.1 D53.1 D75.1 D91.1 D104.1 R3.4 U4.5
COL16: D18.1 D36.1 D54.1 D76.1 D92.1 D105.1 R3.6 U4.6
COL17: D19.1 D37.1 D55.1 D93.1 R3.8 U4.7
ENC_A: C9.2 ENC1.A
ENC_B: C10.2 ENC1.B
ENC_C: C11.2 C12.2 ENC2.A ENC2.B
GRN1: W1.4 W2.4 W3.4 W4.4 W5.4 W6.4 W7.4 W8.4 W9.4
GRN2: W19.4 W20.4 W21.4 W22.4 W23.4 W24.4 W25.4 W26.4 W27.4
GRN3: W37.4 W38.4 W39.4 W40.4 W41.4 W42.4 W43.4 W44.4 W45.4 W104.4
GRN4: W54.4 W55.4 W56.4 W57.4 W58.4 W59.4 W60.4 W61.4 W62.4 W105.4
GRN5: W71.4 W72.4 W73.4 W74.4 W75.4 W76.4 W77.4 W78.4 W106.4
GRN6: W87.4 W88.4 W89.4 W90.4 W91.4 W92.4 W93.4 W94.4
GRN7: W10.4 W11.4 W12.4 W13.4 W14.4 W15.4 W16.4 W17.4 W18.4
GRN8: W28.4 W29.4 W30.4 W31.4 W32.4 W33.4 W34.4 W35.4
GRN9: W46.4 W47.4 W48.4 W49.4 W50.4 W51.4 W52.4 W53.4
GRN10: W63.4 W64.4 W65.4 W66.4 W67.4 W68.4 W69.4 W70.4
GRN11: W79.4 W80.4 W81.4 W82.4 W83.4 W84.4 W85.4 W86.4
GRN12: W95.4 W96.4 W97.4 W98.4 W99.4 W100.4 W101.4 W102.4 W103.4
LED1: U6.1 W1.1 W19.1 W37.1 W54.1 W71.1 W87.1
LED1_CS: U6.25
LED2: U6.2 W2.1 W20.1 W38.1 W55.1 W88.1
LED2_CS: U7.25
LED3: U6.3 W3.1 W21.1 W39.1 W56.1 W72.1 W89.1
LED4: U6.4 W4.1 W22.1 W40.1 W57.1 W73.1
LED5: U6.6 W5.1 W23.1 W41.1 W58.1 W74.1 W90.1
LED6: U6.7 W6.1 W24.1 W42.1 W59.1 W75.1 W91.1
LED7: U6.8 W7.1 W25.1 W43.1 W60.1 W76.1 W92.1
LED8: U6.9 W8.1 W26.1 W44.1 W61.1 W77.1 W93.1
LED9: U6.10 W9.1 W27.1 W45.1 W62.1 W78.1 W94.1
LED10: U7.40 W104.1 W105.1 W106.1
LED11: U7.1 W10.1 W28.1 W46.1 W63.1 W79.1 W95.1
LED12: U7.2 W11.1 W29.1 W47.1 W64.1 W80.1 W96.1
LED13: U7.3 W12.1 W30.1 W48.1 W65.1 W81.1 W97.1
LED14: U7.4 W13.1 W31.1 W49.1 W82.1 W98.1
LED15: U7.6 W14.1 W32.1 W50.1 W66.1 W83.1 W99.1
LED16: U7.7 W15.1 W33.1 W67.1 W84.1 W100.1
LED17: U7.8 W16.1 W34.1 W51.1 W68.1 W85.1 W101.1
LED18: U7.9 W17.1 W35.1 W52.1 W69.1 W86.1 W102.1
LED19: U7.10 W18.1 W53.1 W70.1 W103.1
LED_PWR_EN: C21.2 C22.2 U6.26 U7.26
MATRIX_CS: Q1.1 U2.10 U3.10 U4.10
MISO: U4.9
MOSI: U6.24 U6.28 U7.24 U7.28
RED1: W1.3 W2.3 W3.3 W4.3 W5.3 W6.3 W7.3 W8.3 W9.3
RED2: W19.3 W20.3 W21.3 W22.3 W23.3 W24.3 W25.3 W26.3 W27.3
RED3: W37.3 W38.3 W39.3 W40.3 W41.3 W42.3 W43.3 W44.3 W45.3 W104.3
RED4: W54.3 W55.3 W56.3 W57.3 W58.3 W59.3 W60.3 W61.3 W62.3 W105.3
RED5: W71.3 W72.3 W73.3 W74.3 W75.3 W76.3 W77.3 W78.3 W106.3
RED6: W87.3 W88.3 W89.3 W90.3 W91.3 W92.3 W93.3 W94.3
RED7: W10.3 W11.3 W12.3 W13.3 W14.3 W15.3 W16.3 W17.3 W18.3
RED8: W28.3 W29.3 W30.3 W31.3 W32.3 W33.3 W34.3 W35.3
RED9: W46.3 W47.3 W48.3 W49.3 W50.3 W51.3 W52.3 W53.3
RED10: W63.3 W64.3 W65.3 W66.3 W67.3 W68.3 W69.3 W70.3
RED11: W79.3 W80.3 W81.3 W82.3 W83.3 W84.3 W85.3 W86.3
RED12: W95.3 W96.3 W97.3 W98.3 W99.3 W100.3 W101.3 W102.3 W103.3
ROW0: Q2.2 Q3.2 SW1.2 SW2.2 SW3.2 SW4.2 SW5.2 SW6.2 SW7.2 SW8.2 SW9.2 SW10.2 SW11.2 SW12.2 SW13.2 SW14.2 SW15.2 SW16.2 SW17.2 SW18.2
ROW1: SW19.2 SW20.2 SW21.2 SW22.2 SW23.2 SW24.2 SW25.2 SW26.2 SW27.2 SW28.2 SW29.2 SW30.2 SW31.2 SW32.2 SW33.2 SW34.2 SW35.2 SW36.2
ROW2: SW37.2 SW38.2 SW39.2 SW40.2 SW41.2 SW42.2 SW43.2 SW44.2 SW45.2 SW46.2 SW47.2 SW48.2 SW49.2 SW50.2 SW51.2 SW52.2 SW53.2 SW54.2
ROW3: SW55.2 SW56.2 SW57.2 SW58.2 SW59.2 SW60.2 SW61.2 SW62.2 SW63.2 SW64.2 SW65.2 SW66.2 SW67.2 SW68.2 SW69.2 SW70.2
ROW4: SW71.2 SW72.2 SW73.2 SW74.2 SW75.2 SW76.2 SW77.2 SW78.2 SW79.2 SW80.2 SW81.2 SW82.2 SW83.2 SW84.2 SW85.2 SW86.2 SW87.2
ROW5: SW88.2 SW89.2 SW90.2 SW91.2 SW92.2 SW93.2 SW94.2 SW95.2 SW96.2 SW97.2 SW100_1.2 SW102_1.2
S14: D15.2 Q2.3 SW14.1
S18: D19.2 Q3.3 SW18.1
SCK: U2.11 U3.11 U4.11 U6.27 U7.27
V_LED_1: C13.2 C14.2 C15.2 C16.2 U6.5 U6.22
V_LED_2: C17.2 C18.2 C19.2 C20.2 U7.5 U7.22
Net-(D2-A): D2.2 SW1.1
Net-(D3-A): D3.2 SW2.1
Net-(D4-A): D4.2 SW3.1
Net-(D5-A): D5.2 SW4.1
Net-(D6-A): D6.2 SW5.1
Net-(D7-A): D7.2 SW6.1
Net-(D8-A): D8.2 SW7.1
Net-(D9-A): D9.2 SW8.1
Net-(D10-A): D10.2 SW9.1
Net-(D11-A): D11.2 SW10.1
Net-(D12-A): D12.2 SW11.1
Net-(D13-A): D13.2 SW12.1
Net-(D14-A): D14.2 SW13.1
Net-(D16-A): D16.2 SW15.1
Net-(D17-A): D17.2 SW16.1
Net-(D18-A): D18.2 SW17.1
Net-(D20-A): D20.2 SW19.1
Net-(D21-A): D21.2 SW20.1
Net-(D22-A): D22.2 SW21.1
Net-(D23-A): D23.2 SW22.1
Net-(D24-A): D24.2 SW23.1
Net-(D25-A): D25.2 SW24.1
Net-(D26-A): D26.2 SW25.1
Net-(D27-A): D27.2 SW26.1
Net-(D28-A): D28.2 SW27.1
Net-(D29-A): D29.2 SW28.1
Net-(D30-A): D30.2 SW29.1
Net-(D31-A): D31.2 SW30.1
Net-(D32-A): D32.2 SW31.1
Net-(D33-A): D33.2 SW32.1
Net-(D34-A): D34.2 SW33.1
Net-(D35-A): D35.2 SW34.1
Net-(D36-A): D36.2 SW35.1
Net-(D37-A): D37.2 SW36.1
Net-(D38-A): D38.2 SW37.1
Net-(D39-A): D39.2 SW38.1
Net-(D40-A): D40.2 SW39.1
Net-(D41-A): D41.2 SW40.1
Net-(D42-A): D42.2 SW41.1
Net-(D43-A): D43.2 SW42.1
Net-(D44-A): D44.2 SW43.1
Net-(D45-A): D45.2 SW44.1
Net-(D46-A): D46.2 SW45.1
Net-(D47-A): D47.2 SW46.1
Net-(D48-A): D48.2 SW47.1
Net-(D49-A): D49.2 SW48.1
Net-(D50-A): D50.2 SW49.1
Net-(D51-A): D51.2 SW50.1
Net-(D52-A): D52.2 SW51.1
Net-(D53-A): D53.2 SW52.1
Net-(D54-A): D54.2 SW53.1
Net-(D55-A): D55.2 SW54.1
Net-(D61-A): D61.2 SW55.1
Net-(D62-A): D62.2 SW56.1
Net-(D63-A): D63.2 SW57.1
Net-(D64-A): D64.2 SW58.1
Net-(D65-A): D65.2 SW59.1
Net-(D66-A): D66.2 SW60.1
Net-(D67-A): D67.2 SW61.1
Net-(D68-A): D68.2 SW62.1
Net-(D69-A): D69.2 SW63.1
Net-(D70-A): D70.2 SW64.1
Net-(D71-A): D71.2 SW65.1
Net-(D72-A): D72.2 SW66.1
Net-(D73-A): D73.2 SW67.1
Net-(D74-A): D74.2 SW68.1
Net-(D75-A): D75.2 SW69.1
Net-(D76-A): D76.2 SW70.1
Net-(D77-A): D77.2 SW71.1
Net-(D78-A): D78.2 SW72.1
Net-(D79-A): D79.2 SW73.1
Net-(D80-A): D80.2 SW74.1
Net-(D81-A): D81.2 SW75.1
Net-(D82-A): D82.2 SW76.1
Net-(D83-A): D83.2 SW77.1
Net-(D84-A): D84.2 SW78.1
Net-(D85-A): D85.2 SW79.1
Net-(D86-A): D86.2 SW80.1
Net-(D87-A): D87.2 SW81.1
Net-(D88-A): D88.2 SW82.1
Net-(D89-A): D89.2 SW83.1
Net-(D90-A): D90.2 SW84.1
Net-(D91-A): D91.2 SW85.1
Net-(D92-A): D92.2 SW86.1
Net-(D93-A): D93.2 SW87.1
Net-(D94-A): D94.2 SW88.1
Net-(D95-A): D95.2 SW89.1
Net-(D96-A): D96.2 SW90.1
Net-(D97-A): D97.2 SW91.1
Net-(D98-A): D98.2 SW100_1.1
Net-(D99-A): D99.2 SW92.1
Net-(D100-A): D100.2 SW102_1.1
Net-(D101-A): D101.2 SW93.1
Net-(D102-A): D102.2 SW94.1
Net-(D103-A): D103.2 SW95.1
Net-(D104-A): D104.2 SW96.1
Net-(D105-A): D105.2 SW97.1
Net-(Q2-G): Q2.1
Net-(Q3-G): Q3.1
Net-(U1-VSS-Pad23): U1.23 U1.35 U1.47 U1.49
Net-(U2-A): R4.2 U2.15
Net-(U2-QH): U2.9 U3.14
Net-(U3-A): R5.2 U3.15
Net-(U3-QH): U3.9 U4.14
Net-(U4-A): R6.2 U4.1 U4.2 U4.3 U4.15
Net-(U6-CS1): U6.39
Net-(U6-CS2): U6.38
Net-(U6-CS3): U6.37
Net-(U6-CS4): U6.36
Net-(U6-CS5): U6.35
Net-(U6-CS6): U6.34
Net-(U6-CS7): U6.33
Net-(U6-CS8): U6.32
Net-(U6-CS9): U6.31
Net-(U6-CS10): U6.21
Net-(U6-CS11): U6.20
Net-(U6-CS12): U6.19
Net-(U6-CS13): U6.18
Net-(U6-CS14): U6.17
Net-(U6-CS15): U6.15
Net-(U6-CS16): U6.14
Net-(U6-CS17): U6.13
Net-(U6-CS18): U6.12
Net-(U6-ISET): U6.29
Net-(U6-SYNC): U6.30 U7.30
Net-(U7-CS1): U7.39
Net-(U7-CS2): U7.38
Net-(U7-CS3): U7.37
Net-(U7-CS4): U7.36
Net-(U7-CS5): U7.35
Net-(U7-CS6): U7.34
Net-(U7-CS7): U7.33
Net-(U7-CS8): U7.32
Net-(U7-CS9): U7.31
Net-(U7-CS10): U7.21
Net-(U7-CS11): U7.20
Net-(U7-CS12): U7.19
Net-(U7-CS13): U7.18
Net-(U7-CS14): U7.17
Net-(U7-CS15): U7.15
Net-(U7-CS16): U7.14
Net-(U7-CS17): U7.13
Net-(U7-CS18): U7.12
Net-(U7-ISET): U7.29

Pads without a net: ENC1 C S; ENC2 C S; U1 1 2 3 4 5 6 7 8 9 10 11 12 13 14 15 16 17 18 19 20 21 22 24 25 26 27 28 29 30 31 32 33 34 36 37 38 39 40 41 42 43 44 45 46 48; U6 11 40; U7 11

## Copper pours and planes (outline as drawn; the poured copper is in the pictures)
GND on Top, Bottom, In1.Cu, In2.Cu: -1.26,122.91 -1.26,-1.09 370.74,-1.09 370.74,122.91
